# Altium PCB PIX_NANO.PcbDoc (part 2 of 2)
Units mm, origin at the board's own origin, x right, y up, seen from the top; angles counter-clockwise.
Board outline 33.01 x 30.01 mm, 4 copper layers (Top Layer, Mid-Layer 1, Mid-Layer 2, Bottom Layer); 90 components, 171 nets, 602 pads, 191 vias.
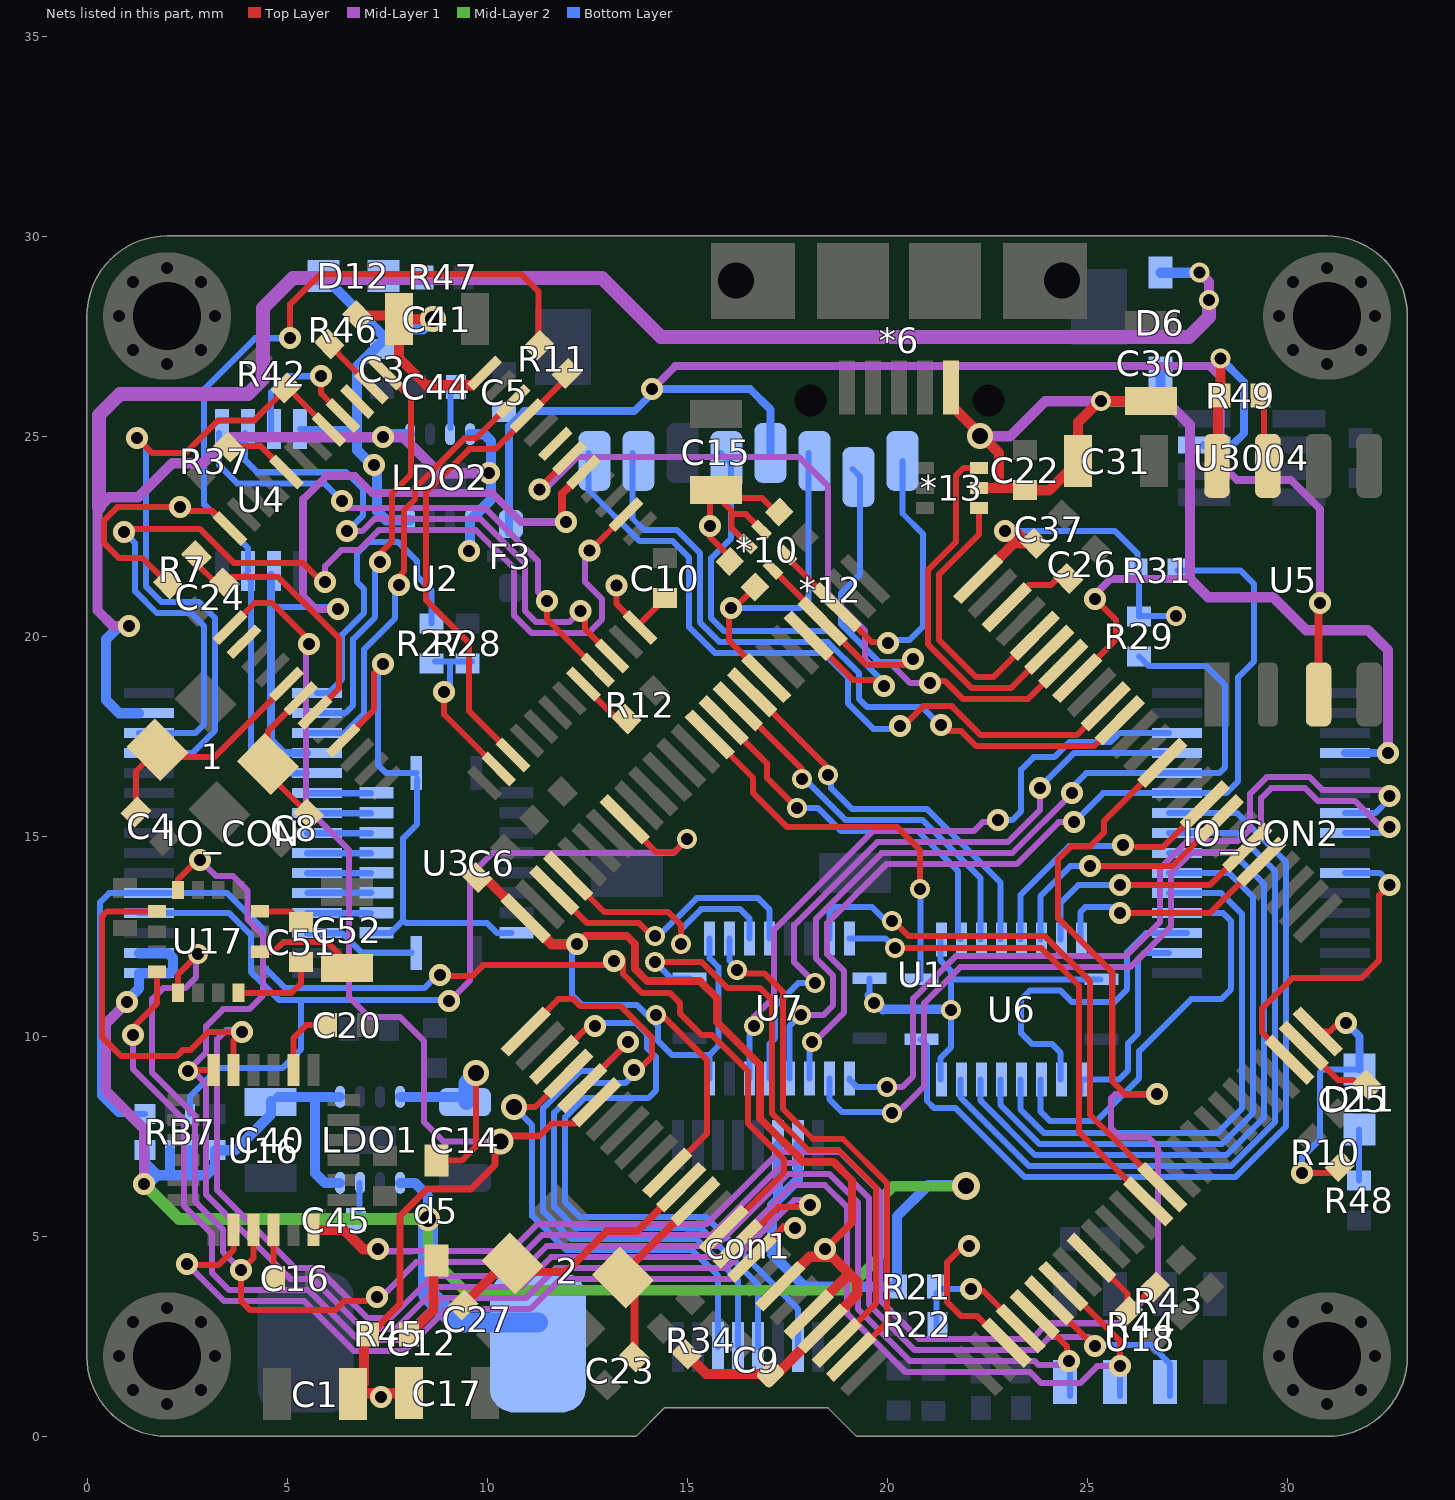
[diagram p4: the nets of this part, all layers, seen from the top]

## Via types
v1: diameter 0.55, hole 0.3, Top Layer to Bottom Layer, 139 vias
v2: diameter 0.5, hole 0.3, Top Layer to Bottom Layer, 39 vias
v3: diameter 0.65, hole 0.4, Top Layer to Bottom Layer, 5 vias
v4: diameter 0.7, hole 0.7, Top Layer to Bottom Layer, 4 vias
v5: diameter 0.7, hole 0.4, Top Layer to Bottom Layer, 1 vias
v6: diameter 0.6, hole 0.35, Top Layer to Bottom Layer, 1 vias
v7: diameter 0.6, hole 0.4, Top Layer to Bottom Layer, 1 vias
v8: diameter 0.45, hole 0.3, Top Layer to Bottom Layer, 1 vias

## Nets (pads, with @x,y where several pads share a name; then routed paths per layer and width w, separated by ;. In a path a pad name is that pad's centre, name@x,y a point inside that pad or via, vN(x,y) a via of type N, cw(c..) or ccw(c..) an arc to the next point about the centre after c; other vN are vias at no path point) (continued)
I2C2_SDA: IO_CON2.6 U1.48 | length 8.2
  Top Layer w0.15: U1.48@30.058,9.409 29.375,10.093 29.375,10.7 30.125,11.45 31.85,11.45 32.3,11.9 32.3,13.526 v1@32.55,13.776
  Bottom Layer w0.15: IO_CON2.6@31.45,14.075 32.325,14.075 ; 32.357,14.051 v1@32.582,13.826
  other v1: 32.557,13.776
I2C_SCL: IO_CON2.21 R31.2 U7.14 | length 23.3
  Mid-Layer 1 w0.15: v2(18.125,9.85) 18.175,9.85 18.925,10.6 18.925,11.625 18.5,12.05 18.5,12.822 19.978,14.3 23.239,14.3 24.289,15.35 v1(24.675,15.35)
  Bottom Layer w0.15: U7.14@18.06,8.947 18.06,9.785 v2(18.125,9.85) ; v1(24.675,15.35) 25.4,16.075 28.475,16.075 28.775,16.375 28.775,18.975 29.175,19.375 29.175,21.3 28.829,21.646 R31.2@27.256,21.646
I2C_SDA: IO_CON2.20 R29.2 U7.15 | length 21.4
  Mid-Layer 1 w0.15: v2@17.825,10.525 18.4,10.525 18.65,10.775 18.65,11.511 18.225,11.936 18.225,12.936 19.864,14.575 23.107,14.575 ; v2@17.826,10.526 v2(17.851,10.526) ; 23.129,14.579 v1(24.625,16.075)
  Bottom Layer w0.15: U7.15@17.56,8.947 17.56,10.26 17.826,10.526 v2(17.851,10.526) ; v1(24.625,16.075) 24.625,16.225 24.975,16.575 28.3,16.575 28.45,16.725 28.45,18.775 27.975,19.25 26.54,19.25 R29.2@26.296,19.494
IO-3V3: C3.2 C10.2 C41.2 D12.1 LDO2.8 R7.2 R46.1 U2.9 U2.24 U2.36 U2.48 U3.2 U3.10 U3.19 U4.8 | length 38
  Top Layer w0.15: R7.2@2.027,21.307 1.384,21.95 0.8,21.95 0.425,22.325 0.425,22.9 0.75,23.225 v1(2.325,23.225) 2.425,23.125 3.136,23.125 U2.48@3.572,22.689 ; U2.9@6.4,17.386 7.175,18.161 7.175,19.075 v1(7.4,19.3) ; C41.2@7.711,28.014 C41.2@7.8,27.925 ; U2.36@9.632,26.275 U2.36@9.936,26.578 ; v1@13.2,21.3 v1(13.239,21.261) 13.239,20.8 U2.24@13.825,20.214 13.825,20.325 C10.2@14.45,20.95
  Top Layer w0.245: 7.8,26.95 8.475,26.275
  Top Layer w0.254: R46.1@6.759,28.014 C41.2@7.711,28.014 ; 7.8,26.95 C41.2@7.8,27.925 v3(8.65,27.925) ; 8.475,26.275 U2.36@9.632,26.275
  Bottom Layer w0.15: U4.8@5.325,25.18 6.72,25.18 6.75,25.15 ; U3.2@7.103,12.585 7.585,12.585 7.9,12.9 ; v1(7.4,19.3) 7.275,19.175 7.275,16.775 7.465,16.585 U3.10@8.228,16.585 ; U3.10@8.25,16.438 8.25,15.3 7.9,14.95 7.9,12.9 ; U3.19@10.603,12.585 10.24,12.585 10,12.825 7.975,12.825 7.9,12.9
  Bottom Layer w0.254: D12.1@5.904,29.005 7.454,27.454 ; LDO2.8@8.075,22.9 7.475,22.9 7.25,23.125 7.25,24.15 6.75,24.65 6.75,25.15 6.75,26.75 7.675,27.675 8.4,27.675 v3(8.65,27.925)
  other v1: 7.175,24.275
IO-BOOT0: R37.2 U2.44 | length 1.7
  Top Layer w0.15: R37.2@3.548,24.727 3.571,24.75 4.339,24.75 U2.44@4.986,24.103
IO-BOOT1: R12.2 U2.20 | length 1.4
  Top Layer w0.15: U2.20@12.411,18.8 12.411,18.764 13.23,17.945 R12.2@13.47,17.945
IO-OSC_IN: 1.3 C8.2 U2.6 | length 3.9
  Top Layer w0.15: U2.6@5.339,18.447 4.516,17.623 1.3@4.516,16.807 4.516,16.566 C8.2@5.529,15.554 C8.2@5.529,15.795
IO-OSC_OUT: 1.1 C4.1 U2.5 | length 5.7
  Top Layer w0.15: C4.1@1.221,15.604 1.221,16.624 1.573,16.975 3.175,16.975 4.986,18.786 U2.5@4.986,18.8
IO-SWCLK: IO_CON.14 U2.37 | length 10.4
  Top Layer w0.15: v1@7.25,22 7.625,22.375 7.625,23.575 8.1,24.05 8.1,25.939 U2.37@7.461,26.578
  Bottom Layer w0.15: IO_CON.14@5.5,18.075 6.45,18.075 6.65,18.275 6.65,19.925 7.2,20.475 v1@7.2,22
  other v1: 7.325,21.85
IO_RESET: C24.2 R7.1 U2.7 | length 6.8
  Top Layer w0.15: R7.1@2.634,21.914 3.32,21.229 3.329,21.229 3.575,21.475 4.775,21.475 6.3,19.95 6.3,18.7 U2.7@5.693,18.093
IO_SWDIO: IO_CON.13 U2.34 | length 11.1
  Top Layer w0.15: v1@7.7,21.4 7.925,21.625 7.925,23.153 8.2,23.428 8.2,23.714 9.436,24.95 9.722,24.95 U2.34@10.643,25.871
  Bottom Layer w0.15: IO_CON.13@5.5,17.575 6.425,17.575 6.925,18.075 6.925,19.675 7.7,20.45 v1@7.7,21.4
  other v1: 7.8,21.275
IO_SWO: U2.39
IO_USART1_TX: U1.69 U2.30 | length 19.6
  Top Layer w0.15: v1@11.388,23.613 11.388,23.787 U2.30@12.057,24.457 ; v1@20.925,18.8 21,18.875 21.45,18.875 21.9,18.425 23.518,18.425 U1.69@24.402,19.309
  Mid-Layer 1 w0.15: v1@11.388,23.613 12.25,24.475 17.8,24.475 18.525,23.75 18.525,21.061 19.45,20.136 19.45,19.425 19.575,19.3 20.103,19.3 20.578,18.825 v1(21.075,18.825)
  other v1: 11.312,23.663
MCU_3V3: *10.1 *10.2 *10.3 *10.4 C6.2 C9.2 C14.2 C15.2 C37.2 d5.1 D11.1 LDO1.8 R10.1 R29.1 R31.1 R34.2 U1.11 U1.19 U1.21 U1.22 U1.28 U1.50 U1.75 U1.100 U6.2 U6.10 U6.19 U7.2 U7.10 U7.19 | length 80.6
  Top Layer w0.15: d5.1@8.658,6.889 9.364,6.889 9.725,7.25 v3(9.725,9.075) ; C15.2@15.65,23.6 15.575,23.525 15.575,22.475 16.063,21.987 *10.4@16.063,21.864 ; *10.3@16.505,22.306 16.111,22.7 16.111,23.025 ; *10.2@16.859,22.666 *10.2@16.859,22.66 16.468,23.05 16.136,23.05 16.111,23.025 ; *10.1@17.3,23.102 17.223,23.102 16.875,23.45 15.8,23.45 16.111,23.139 16.111,23.025 ; v1@22.15,4.75 21.9,4.75 21.5,4.35 21.5,3.35 21.85,3 22.25,3 22.912,2.338 U1.28@22.987,2.338 ; v1(30.375,6.575) 31.149,6.575 R10.1@31.314,6.741 ; U1.50@30.765,10.117 31.067,10.117 31.276,10.326 v1(31.477,10.326)
  Top Layer w0.154: v2@14.075,10.475 14.425,10.475 15.5,9.4 15.5,7.575 U1.11@14.506,6.581
  Top Layer w0.2: v1(12.25,12.3) 12.45,12.5 13.5,12.5 13.7,12.3 13.7,11.678 14.003,11.375 15.322,11.375 15.75,10.947 15.75,10.35 16.825,9.275 16.825,7.937 17.909,6.853 18.659,6.853 19.125,6.387 19.125,5.35 v1(18.45,4.675) ; U1.11@14.502,6.581 U1.11@14.506,6.581
  Top Layer w0.254: C6.2@9.871,14.04 U1.100@10.966,12.945 11.611,12.3 v1(12.25,12.3) v1@12.35,12.2 ; R34.2@14.984,2.049 15.476,1.557 C9.2@17.08,1.557 17.256,1.557 U1.22@18.391,2.692 19.251,3.552 19.251,3.861 19.051,4.061 18.626,4.486 18.063,4.486 U1.19@17.33,3.753 ; U1.21@18.038,3.045 19.051,4.059 ; U1.75@22.28,21.43 23.171,22.321 C37.2@23.504,22.321 ; v1@22.925,22.675 23.15,22.675 C37.2@23.504,22.321 ; C37.2@23.696,22.321 C37.2@23.504,22.321
  Bottom Layer w0.15: v1(12.25,12.3) 12.125,12.175 12.125,11.025 12.375,10.775 13.75,10.775 14.275,10.25 14.275,9.875 14.615,9.535 15.56,9.535 ; U7.19@15.56,8.947 15.56,9.535 ; U7.2@15.56,12.447 15.56,11.948 15.783,11.725 15.783,9.758 15.56,9.535 ; v2@19.56,11.015 U7.10@19.56,11.447 ; U6.19@21.335,8.922 21.335,9.46 21.6,9.725 21.6,10.675 21.6,11.45 ; U6.2@21.335,12.422 21.335,11.89 21.6,11.625 21.6,11.45 ; v1(22.95,22.625) 25.7,22.625 26.256,22.069 R31.1@26.256,21.646 ; U6.10@25.335,11.422 21.628,11.422 21.6,11.45 ; R31.1@26.296,21.606 R29.1@26.296,20.494 26.302,20.5 v2(27.225,20.5) ; v1(30.375,6.575) 30.375,6.978 30.825,7.428 30.825,9.1 30.896,9.171 D11.1@31.805,9.171
  Bottom Layer w0.2: v1(31.477,10.326) 31.805,9.997 D11.1@31.805,9.171
  Bottom Layer w0.245: 19.9,10.675 v2@21.6,10.675
  Bottom Layer w0.254: LDO1.8@7.824,8.482 C14.2@9.308,8.482 ; v2@19.56,11.015 19.9,10.675
  Bottom Layer w0.4: C14.2@9.482,8.35 9.482,8.832 v3(9.725,9.075)
  other v1: 22.05,4.75 15.575,22.75
  other v2: 14.225,10.525 21.6,10.65 19.675,10.825
MPU_CS: U1.17 U16.8 | length 20.7
  Top Layer w0.15: v1@2.5,4.275 3.275,4.275 3.661,4.661 U16.8@3.661,5.276 ; U1.17@16.623,4.46 17.414,5.25 v1@17.7,5.25
  Mid-Layer 1 w0.15: v1(2.5,4.3) 3.425,3.375 5.425,3.375 6.675,2.125 7.925,2.125 8.975,3.175 11.075,3.175 11.825,3.925 16.1,3.925 17.375,5.2 v1(17.7,5.2)
MPU_DRDY: U1.62 U16.12 | length 44.5
  Top Layer w0.154: v1(26.75,8.55) 25.95,8.55 25.627,8.873 25.627,11.598 24.275,12.95 24.275,14.425 24.6,14.75 25.075,14.75 25.423,15.098 25.423,15.381 U1.62@26.877,16.834
  Top Layer w0.254: U16.12@5.661,5.151 6.424,5.151 6.9,4.675 v1(7.275,4.675) v1@7.375,4.675
  Mid-Layer 1 w0.154: v1@7.225,4.625 8.108,4.625 8.11,4.627 10.58,4.627 11.255,5.302 15.485,5.302 17.285,7.102 18.825,7.102 19.827,6.1 19.827,3.404 20.804,2.427 23.61,2.427 24.008,2.825 25.825,2.825 26.773,3.773 26.773,7.227 26.525,7.475 25.825,7.475 25.6,7.7 25.6,8.45 25.7,8.55 v1(26.75,8.55)
MPU_EXT_CS: con1.15 U1.3 | length 16.9
  Top Layer w0.15: U1.3@11.674,9.409 11.684,9.409 12.525,10.25 v1@12.7,10.25
  Bottom Layer w0.15: v1(12.7,10.253) 12.772,10.325 13.722,10.325 14,10.047 14,9.7 14.225,9.475 14.225,8.65 14.025,8.45 12.428,8.45 11.95,7.972 11.95,5.85 12.323,5.477 15.473,5.477 17.775,3.175 con1.15@17.775,2.225
NetC16_1: C16.1 U16.10 | length 1.2
  Top Layer w0.15: C16.1@4.661,4.114 U16.10@4.661,5.276
NetC20_1: C20.1 U16.20 | length 1.7
  Top Layer w0.15: U16.20@5.161,9.276 5.161,9.961 5.475,10.275 C20.1@6,10.275
NetC44_1: C44.1 LDO2.3 | length 1
  Bottom Layer w0.15: LDO2.3@9.089,25.201 C44.1@9.089,26.172
NetC45_1: C45.1 LDO1.3 | length 0.9
  Bottom Layer w0.15: C45.1@6.81,5.46 LDO1.3@6.81,6.332
NetC51_1: C51.1 U17.12 | length 1.1
  Top Layer w0.15: U17.12@4.318,13.121 5.079,13.121 C51.1@5.35,12.85
NetC51_2: C51.2 U17.8 | length 2.2
  Top Layer w0.15: U17.8@3.785,11.084 5.109,11.084 5.35,11.325 C51.2@5.35,11.85
NetC52_1: C52.1 U17.10 | length 2.5
  Top Layer w0.15: U17.10@4.318,12.109 4.659,12.109 4.9,12.35 6,12.35 C52.1@6.5,11.85
Netd5_2: d5.2 R45.1 | length 1.9
  Top Layer w0.25: R45.1@7.919,2.646 8.146,2.646 8.658,3.158 d5.2@8.658,4.089
NetD11_2: D11.2 R48.1 | length 1.3
  Bottom Layer w0.15: R48.1@31.796,6.394 D11.2@31.796,7.663
NetD12_2: D12.2 R47.1 | length 1.3
  Bottom Layer w0.15: D12.2@7.104,29.005 7.137,28.971 R47.1@8.406,28.971
NetR46_2: R46.2 U2.38 | length 1.4
  Top Layer w0.15: R46.2@6.252,27.282 6.252,27.08 U2.38@7.107,26.225
NetR49_2: R49.2 U5.7 | length 1.5
  Top Layer w0.15: U5.7@29.415,24.483 R49.2@29.415,25.934
OSC_IN: 2.3 C27.2 U1.12 | length 6.9
  Top Layer w0.2: 2.3@10.841,4.111 11.976,4.111 12.989,5.123 13.751,5.123 U1.12@14.855,6.227
  Top Layer w0.254: C27.2@9.396,3.279 10.435,4.318 2.3@10.634,4.318 2.3@10.841,4.111
OSC_OUT: 2.1 C23.1 U1.13 | length 4.4
  Top Layer w0.2: 2.1@13.391,4.056 U1.13@15.209,5.874 ; C23.1@13.679,1.984 2.1@13.679,3.677
  Top Layer w0.254: 2.1@13.391,3.964 2.1@13.391,4.056
PPM_IN: IO_CON.12 U2.29 U4.2 | length 19.1
  Top Layer w0.15: v1@11.875,22.95 v1(11.975,22.85)
  Top Layer w0.2: v1@11.875,22.95 11.875,23.568 U2.29@12.411,24.103
  Mid-Layer 1 w0.2: v1(6.275,20.675) 5.725,20.675 5.4,21 5.4,23.425 5.975,24 6.7,24 7.125,23.575 10.125,23.575 10.85,22.85 v1(11.975,22.85)
  Bottom Layer w0.15: 4.6,20.725 6.1,20.725 v1@6.225,20.6
  Bottom Layer w0.2: U4.2@4.6,21.53 4.6,20.725 4.6,17.4 4.925,17.075 IO_CON.12@5.5,17.075
PRESSURE_SENS: R43.1 R44.2 U1.34 | length 2.6
  Top Layer w0.15: U1.34@25.109,4.46 26.015,3.554 R44.2@26.015,3.123 26.057,3.123 R43.1@26.643,3.71
PWM_OUT1: IO_CON.3 U3.1 | length 2.8
  Bottom Layer w0.154: IO_CON.3@5.5,12.575 6.375,12.575 6.865,12.085 U3.1@8.103,12.085
PWM_OUT2: IO_CON.4 U3.3 | length 1.6
  Bottom Layer w0.154: IO_CON.4@5.5,13.075 U3.3@7.092,13.075
PWM_OUT3: IO_CON.5 U3.4 | length 1.6
  Bottom Layer w0.154: IO_CON.5@5.51,13.585 U3.4@7.103,13.585
PWM_OUT4: IO_CON.6 U3.5 | length 1.6
  Bottom Layer w0.154: IO_CON.6@5.5,14.075 U3.5@7.092,14.075
PWM_OUT5: IO_CON.7 U3.6 | length 1.6
  Bottom Layer w0.154: IO_CON.7@5.5,14.575 U3.6@7.092,14.575
PWM_OUT6: IO_CON.8 U3.7 | length 1.6
  Bottom Layer w0.154: IO_CON.8@5.5,15.075 U3.7@7.092,15.075
PWM_OUT7: IO_CON.9 U3.8 | length 1.6
  Bottom Layer w0.154: IO_CON.9@5.5,15.575 U3.8@7.092,15.575
PWM_OUT8: IO_CON.10 U3.9 | length 1.6
  Bottom Layer w0.154: IO_CON.10@5.5,16.075 U3.9@7.092,16.075
RSSI_IN: R11.1 U2.15 U2.33 | length 12.3
  Top Layer w0.15: U2.15@10.643,17.032 9.55,18.125 9.55,19.825 8.475,20.9 8.475,23.6 9.55,24.675 10.2,24.675 11.914,26.389 R11.1@11.914,26.666
RSSI_IN_PROT: IO_CON.11 R11.2 U4.3 | length 22.7
  Top Layer w0.154: v1(5.075,27.45) 5.075,28.3 5.825,29.05 10.85,29.05 11.282,28.618 R11.2@11.282,27.273
  Bottom Layer w0.154: U4.3@3.95,21.53 4.1,21.38 4.1,17.15 4.675,16.575 IO_CON.11@5.5,16.575 ; U4.3@4.025,21.63 4.025,22.2 2.925,23.3 2.925,26.175 4.2,27.45 v1(5.075,27.45)
SAFE_LED: IO_CON.18 U2.26 | length 26.2
  Top Layer w0.15: v1@0.924,22.675 2.825,22.675 3.675,21.825 5.4,21.825 5.891,21.334 5.891,21.341 v1@5.9,21.351 ; v1(12.563,22.138) 12.566,22.138 U2.26@13.471,23.043
  Mid-Layer 1 w0.15: v1@5.891,21.334 5.891,21.341 v1@5.9,21.351 ; v1(5.95,21.351) 5.95,21.75 6.35,22.15 6.789,22.15 7.289,22.65 9.722,22.65 10.675,21.697 10.675,20.511 11.111,20.075 12.525,20.075 12.875,20.425 12.875,20.925 12.45,21.35 12.45,22.025 v1(12.563,22.138)
  Bottom Layer w0.15: v1(0.924,22.601) 1.2,22.325 1.2,21.122 1.747,20.575 2.6,20.575 2.925,20.25 2.925,17.8 2.7,17.575 IO_CON.18@1.3,17.575
SAFETY: IO_CON.19 R42.2 U2.41 | length 16.9
  Top Layer w0.15: v1(1.25,24.95) 1.625,24.575 2.45,24.575 3.273,25.398 4.177,25.398 4.998,26.218 6.047,25.169 U2.41@6.047,25.164
  Bottom Layer w0.15: v1(1.25,24.95) 1.475,24.725 1.475,21.236 1.861,20.85 2.8,20.85 3.2,20.45 3.2,17.65 2.625,17.075 IO_CON.19@1.3,17.075
SBUS_INPUT: U2.22 U4.6 | length 14.4
  Top Layer w0.15: v1(12.332,20.632) 12.45,20.514 12.45,20.175 U2.22@13.118,19.507
  Mid-Layer 1 w0.15: v1(6.5,22.625) 6.875,22.625 7.175,22.925 9.836,22.925 10.95,21.811 10.95,20.625 11.225,20.35 12.05,20.35 v1(12.332,20.632)
  Bottom Layer w0.154: U4.6@3.95,25.08 3.95,24.4 4.25,24.1 6.475,24.1 6.9,23.675 6.9,23.025 v1(6.5,22.625)
SBUS_OUTPUT: U2.21 U4.5 | length 13.1
  Top Layer w0.15: v1(11.5,20.875) 11.5,20.418 U2.21@12.764,19.154
  Mid-Layer 1 w0.15: v1(6.375,23.375) 6.55,23.2 9.95,23.2 11.275,21.875 11.275,21.1 v1(11.5,20.875)
  Bottom Layer w0.15: U4.5@3.3,25.08 3.3,24.275 3.752,23.823 5.927,23.823 v1(6.375,23.375)
SBUS_OUTPUT_EN: U2.40 U4.7 | length 3.7
  Top Layer w0.15: v1@5.925,26.475 5.85,26.4 5.85,26.068 U2.40@6.4,25.518
  Bottom Layer w0.154: U4.7@4.6,25.08 4.6,26.1 5,26.5 v1(5.85,26.5)
SDIO_CK: *12.5 U1.80 | length 11.9
  Top Layer w0.15: U1.80@18.038,20.016 19.153,18.9 19.925,18.9 v1@19.975,18.85
  Bottom Layer w0.15: *12.5@15.833,24.582 16.1,24.315 16.1,22.45 15.6,21.95 15.6,20.453 15.928,20.125 18.636,20.125 19.961,18.8 v1@19.975,18.8
  other v1: 19.925,18.75
SDIO_CMD: *10.5 *12.3 U1.83 | length 8.6
  Top Layer w0.15: *10.5@16.699,21.228 16.05,20.578 16.05,19.882 U1.83@16.977,18.955
  Bottom Layer w0.15: v1(16.1,20.7) 17.825,20.7 18.033,20.908 *12.3@18.033,24.582
SDIO_D0: *12.7 U1.65 | length 17.7
  Top Layer w0.15: v1(21.35,17.775) 21.325,17.775 21.475,17.625 21.853,17.625 22.228,17.25 23.476,17.25 24.326,17.251 25.171,17.25 U1.65@25.816,17.895
  Bottom Layer w0.15: *12.7@13.633,24.582 13.633,22.942 13.925,22.65 14.75,22.65 15.325,22.075 15.325,20.339 15.814,19.85 18.522,19.85 19.3,19.072 19.3,18.425 19.5,18.225 20.128,18.225 ; 20.129,18.226 20.874,18.226 v1@21.175,17.925 ; v1@21.325,17.775 v1(21.35,17.775)
SDIO_D1: *12.8 U1.66 | length 18.8
  Top Layer w0.15: v1@20.176,17.751 v1(20.326,17.751) ; v1@20.325,17.675 20.9,18.25 21.617,18.25 22.342,17.525 23.362,17.525 ; 23.363,17.526 24.44,17.526 ; 24.44,17.525 24.739,17.525 U1.66@25.462,18.248
  Bottom Layer w0.15: *12.8@12.533,24.582 12.533,23.653 13.811,22.375 14.636,22.375 15.05,21.961 15.05,20.225 15.7,19.575 18.408,19.575 19.025,18.958 19.025,18.311 19.661,17.675 20.1,17.675 20.176,17.751 v1(20.326,17.751)
SDIO_D2: *10.7 *12.1 U1.78 | length 8.5
  Top Layer w0.15: *10.7@17.495,21.973 U1.78@18.745,20.723 19.618,19.85 19.75,19.85
  Bottom Layer w0.15: v1(20.025,19.825) 20.1,19.9 20.55,19.9 20.9,20.25 20.9,22.55 20.383,23.067 *12.1@20.383,24.382
SDIO_D3: *10.6 *12.2 U1.79 | length 11
  Top Layer w0.15: *10.6@17.141,21.67 18.391,20.42 U1.79@18.391,20.369 19.486,19.275 20.5,19.275 v1(20.65,19.425)
  Bottom Layer w0.15: *12.2@19.133,24.182 19.325,23.99 19.325,21.55 18.85,21.075 18.85,20.3 19.8,19.35 20.575,19.35 v1(20.65,19.425)
SERVO_VALID: IO_CON.27 RB7.3 U1.93 | length 25.3
  Top Layer w0.15: U1.93@13.441,15.42 13.441,15.384 14.224,14.601 14.676,14.601 v2(15,14.925)
  Mid-Layer 1 w0.15: v1(9.05,10.875) 9.575,11.4 9.575,14.025 10.125,14.575 14.65,14.575 v2(15,14.925)
  Bottom Layer w0.15: IO_CON.27@1.3,13.075 3.55,13.075 4.1,12.525 4.1,11.6 4.8,10.9 5.35,10.9 ; RB7.3@2.575,8.05 2.575,8.5 3.275,9.2 4.875,9.2 5.35,9.675 5.35,10.9 ; v1@9.05,10.9 5.35,10.9
SPEKTRUM_EN: U2.2
SPI_EXT_MISO: con1.11 U1.4 | length 11.8
  Top Layer w0.15: v3(10.675,8.225) 11.196,8.225 U1.4@12.027,9.056 U1.4@12.131,9.056
  Bottom Layer w0.15: v3(10.675,8.225) 11.125,7.775 11.125,5.508 11.981,4.652 15.131,4.652 15.775,4.008 con1.11@15.775,2.225
SPI_EXT_MOSI: con1.12 U1.5 | length 14.3
  Top Layer w0.15: U1.5@12.381,8.702 13.525,9.847 v1(13.525,9.85)
  Bottom Layer w0.15: v1(13.525,9.85) 12.8,9.125 12.325,9.125 11.4,8.2 11.4,5.622 12.095,4.927 15.245,4.927 16.275,3.897 con1.12@16.275,2.225
SPI_EXT_SCK: con1.13 U1.1 | length 17.2
  Top Layer w0.15: U1.1@10.966,10.117 11.775,10.925 12.15,10.925 12.325,10.75 13.336,10.75 14.125,9.961 14.125,9.5 v1@13.775,9.15
  Bottom Layer w0.15: v1@13.775,9.15 13.45,8.825 12.414,8.825 11.675,8.086 11.675,5.736 12.209,5.202 15.359,5.202 16.775,3.786 con1.13@16.775,2.225
  other v1: 13.675,9.15
SPI_MAG_CS: U1.16 U17.4 | length 28.3
  Top Layer w0.15: v1@1.149,10.225 1.748,10.824 U17.4@1.748,11.609 ; U1.16@16.27,4.813 16.363,4.813 17.275,5.725 v1@18.25,5.725
  Mid-Layer 1 w0.15: v1@1.149,10.225 1.149,9.176 2.425,7.9 2.425,5.75 3.125,5.05 3.125,4.075 3.55,3.65 5.539,3.65 6.789,2.4 7.811,2.4 8.861,3.45 10.961,3.45 11.711,4.2 15.975,4.2 17.675,5.9 18.075,5.9 v1@18.25,5.725
  other v1: 18.075,5.775 1.149,10.025
SPI_MISO: U1.31 U16.9 U17.5 U18.6 | length 44.7
  Top Layer w0.15: U17.5@2.273,11.084 2.273,11.548 v2(2.775,12.05) ; U16.9@4.161,5.276 4.161,4.461 v1(3.85,4.15) 3.85,3.375 4.075,3.15 6.2,3.15 6.425,3.375 6.975,3.375 7.25,3.65 v1(7.25,3.475) ; U1.31@24.048,3.399 24.048,3.377 v1@25.2,2.225 ; v1@25.075,2.325 v1@25.2,2.325
  Mid-Layer 1 w0.15: v2@2.725,12.025 2.725,11.475 2.45,11.2 1.9,11.2 1.625,10.925 1.625,9.089 2.7,8.014 2.7,5.864 3.4,5.164 3.4,4.6 v1(3.85,4.15) v1@3.85,4.075 ; v1@7.225,3.625 7.225,3.35 8.225,4.35 10.694,4.35 11.369,5.025 15.6,5.025 17.4,6.825 18.675,6.825 19.55,5.95 19.55,3.289 20.689,2.15 23.725,2.15 24.05,2.475 25.05,2.475 25.2,2.325 25.075,2.325 v1@25,2.25
  Bottom Layer w0.15: v1@25.45,2.275 26.6,2.275 27.075,1.8 U18.6@27.075,1
  other v1: 25.2,2.25
SPI_MOSI: U1.32 U16.24 U17.16 U18.7 | length 45.2
  Top Layer w0.15: U17.16@2.273,13.655 2.273,13.923 2.75,14.4 v1(2.825,14.4) ; v2@2.624,9.276 2.749,9.151 U16.24@3.161,9.151 ; U1.32@24.402,3.753 24.447,3.753 25.825,2.375 v1(25.825,1.75)
  Mid-Layer 1 w0.15: v1(2.825,14.4) 3.219,14.006 3.644,14.006 4.006,13.644 4.006,12.919 4.4,12.525 4.4,11.027 4.048,10.675 3.4,10.675 2.975,10.25 2.975,9.602 2.574,9.201 2.975,8.8 2.975,6.036 5.086,3.925 5.653,3.925 6.903,2.675 7.697,2.675 8.747,3.725 10.847,3.725 11.597,4.475 15.828,4.475 17.628,6.275 18.447,6.275 19,5.722 19,3.061 20.461,1.6 23.575,1.6 23.85,1.325 24.825,1.325 25.25,1.75 v1(25.825,1.75)
  Bottom Layer w0.15: U18.7@25.725,1.85 v1(25.825,1.75) U18.7@25.825,1
  other v2: 2.524,9.126
SPI_SCK: U1.30 U16.23 U17.1 U18.8 | length 44.5
  Top Layer w0.15: U17.1@1.748,13.121 0.496,13.121 0.375,13 0.375,9.975 0.85,9.5 2.237,9.5 2.388,9.651 2.576,9.651 3.025,10.1 v1(3.875,10.1) ; U16.23@3.661,9.276 3.661,9.886 v1(3.875,10.1) ; v1@3.825,10.3 v1@3.95,10.3 ; v1@3.95,10.15 3.9,10.1 v1(3.875,10.1) ; U1.30@23.694,3.045 24.5,2.24 24.5,1.775 v1@24.475,1.8
  Mid-Layer 1 w0.15: v1@24.3,1.8 24.475,1.8 24.5,1.775 23.789,1.775 23.689,1.875 20.575,1.875 19.275,3.175 19.275,5.836 18.561,6.55 17.514,6.55 15.714,4.75 11.483,4.75 10.733,4 8.633,4 7.583,2.95 7.017,2.95 5.767,4.2 5.2,4.2 3.25,6.15 3.25,9.925 3.475,10.15 v1@3.875,10.15 ; v1@3.875,10.15 3.95,10.15 3.9,10.1 v1(3.875,10.1) v1@3.875,10.15
  Bottom Layer w0.15: U18.8@24.475,1.8 24.575,1.7 U18.8@24.575,1
  other v1: 24.55,1.875
STM32_DM: *13.6 U1.70 | length 9
  Top Layer w0.15: *13.6@22.29,24.209 21.909,24.209 21.725,24.025 21.725,22.364 21.025,21.664 21.025,19.786 22.111,18.7 22.767,18.7 23.086,18.7 U1.70@24.048,19.662
STM32_DP: *13.4 U1.71 | length 6.9
  Top Layer w0.15: *13.4@22.29,23.209 22.29,22.54 21.3,21.55 21.3,19.9 22.225,18.975 22.653,18.975 U1.71@23.694,20.016
TELEM1_CTS: IO_CON2.25 U6.16 | length 15.4
  Bottom Layer w0.15: U6.16@22.835,8.922 22.835,8.276 23.811,7.3 28.364,7.3 29.15,8.086 29.15,13.475 28.55,14.075 IO_CON2.25@27.05,14.075
TELEM1_RTS: IO_CON2.24 U6.17 | length 17.1
  Bottom Layer w0.15: U6.17@22.335,8.922 22.335,8.387 23.697,7.025 28.478,7.025 29.425,7.972 29.425,13.8 28.65,14.575 IO_CON2.24@27.05,14.575
TELEM1_RX: IO_CON2.22 U6.20 | length 21.9
  Bottom Layer w0.15: U6.20@20.835,9.922 20.995,9.762 20.995,8.38 21.175,8.2 21.711,8.2 23.436,6.475 23.722,6.475 28.706,6.475 29.975,7.744 29.975,14.35 28.75,15.575 IO_CON2.22@27.05,15.575
TELEM1_TX: IO_CON2.23 U6.18 | length 18.8
  Bottom Layer w0.15: U6.18@21.835,8.922 21.835,8.465 23.55,6.75 23.608,6.75 28.592,6.75 29.7,7.858 29.7,14.125 28.75,15.075 IO_CON2.23@27.05,15.075
TELEM2_CTS: IO_CON2.27 U6.14 | length 10.3
  Bottom Layer w0.15: U6.14@23.835,8.922 23.835,8.115 24.075,7.875 25.225,7.875 26.3,8.95 26.3,9.625 27.6,10.925 28.35,10.925 28.6,11.175 28.6,12.875 28.4,13.075 IO_CON2.27@27.5,13.075
TELEM2_RTS: IO_CON2.26 U6.15 | length 13.7
  Bottom Layer w0.15: U6.15@23.335,8.922 23.335,8.165 23.925,7.575 28.25,7.575 28.875,8.2 28.875,13.05 28.35,13.575 IO_CON2.26@27.05,13.575
TELEM2_RX: IO_CON2.28 U6.13 | length 8.3
  Bottom Layer w0.15: U6.13@24.335,8.922 24.335,9.59 24.125,9.8 23.625,9.8 23.35,10.075 23.35,10.925 23.572,11.147 24.328,11.147 24.625,10.85 25.675,10.85 26,11.175 26,12.1 26.475,12.575 IO_CON2.28@27.5,12.575
TELEM2_TX: IO_CON2.29 U6.12 | length 5.4
  Bottom Layer w0.15: U6.12@24.835,8.565 24.835,8.922 25.797,8.922 26.025,9.15 26.025,9.825 26.275,10.075 26.275,11.925 26.425,12.075 IO_CON2.29@27.05,12.075
TELEM4_RX: IO_CON2.18 U7.17 | length 16.6
  Mid-Layer 1 w0.15: v2(16.675,10.25) 16.675,10.486 17.175,10.986 17.175,12.664 19.636,15.125 22.164,15.125 22.389,15.35 v1@22.725,15.35
  Bottom Layer w0.15: U7.17@16.56,8.947 16.56,10.035 v2@16.75,10.225 ; v1@22.925,15.55 v1(22.776,15.401) 23.126,15.401 23.35,15.625 23.35,16.664 23.661,16.975 24.178,16.975 24.553,17.35 25.578,17.35 25.803,17.575 IO_CON2.18@27.05,17.575
TELEM4_TX: IO_CON2.19 U7.16 | length 16.3
  Mid-Layer 1 w0.15: v2(18.2,11.325) 17.675,11.85 17.675,12.775 19.75,14.85 23.011,14.85 23.825,15.664 v1(23.825,16.2)
  Bottom Layer w0.15: U7.16@17.06,8.947 17.06,9.81 17.2,9.95 17.2,10.75 17.675,11.225 17.775,11.325 v2(18.2,11.325) ; v1(23.825,16.2) 23.825,16.233 24.667,17.075 IO_CON2.19@27.05,17.075
TELEM5_RX: IO_CON2.9 U7.12 | length 20.8
  Mid-Layer 1 w0.15: v2(20,8.725) 20.375,8.725 20.65,9 20.65,10.939 21.711,12 25.961,12 26.825,12.864 26.825,14.203 27.497,14.875 28.772,14.875 29.075,15.178 29.075,16.064 29.486,16.475 30.564,16.475 30.889,16.15 32.408,16.15 v1(32.557,16.001)
  Bottom Layer w0.15: U7.12@19.06,8.947 19.06,8.915 19.25,8.725 v2(20,8.725) ; IO_CON2.9@31.45,15.575 32.203,15.575 32.557,15.929 v1(32.557,16.001)
TELEM5_TX: IO_CON2.8 U7.13 | length 22.5
  Mid-Layer 1 w0.15: v2@20.275,8.1 20.925,8.75 20.925,10.825 21.825,11.725 26.075,11.725 27.1,12.75 27.1,14.089 27.611,14.6 28.886,14.6 29.35,15.064 29.35,15.95 29.6,16.2 30.45,16.2 30.775,15.875 31.7,15.875 32.349,15.226 v1(32.557,15.226)
  Bottom Layer w0.15: U7.13@18.56,8.947 18.56,8.415 18.875,8.1 v2@20.275,8.1 ; IO_CON2.8@31.45,15.075 v1@32.382,15.075 ; v1(32.557,15.226) 32.407,15.075 v1@32.382,15.075 ; v1@32.632,15.326 v1@32.382,15.075
  other v2: 20.125,8.075
TF_VCC: *12.4 C5.2 F3.2 R49.1 U5.3 U5.8 U3004.3 | length 41.2
  Top Layer w0.2: U5.3@30.785,18.543 30.785,20.71 v1@30.9,20.825
  Top Layer w0.254: U5.8@28.27,24.483 R49.1@28.27,25.824 ; R49.1@28.335,26.014 v2(28.335,26.94)
  Mid-Layer 1 w0.2: v1(14.125,26.175) 14.7,26.75 28.06,26.75 28.335,26.475 ; v2(28.335,26.94) 28.335,26.475 ; v1(30.825,20.825) 30.825,23.175 30.1,23.9 28.75,23.9 28.335,24.315 28.335,26.475
  Bottom Layer w0.2: F3.2@10.542,22.578 10.55,22.586 10.55,25.25 10.925,25.625 13.675,25.625 14.225,26.175 16.575,26.175 17.083,25.667 *12.4@17.083,24.582 ; U3004.3@27.926,24.778 28.628,24.778 28.925,25.075 28.925,26.35 v2(28.335,26.94)
USART1_RX: U2.31
USART2_CTS: U1.84 U6.5 | length 9.9
  Top Layer w0.15: U1.84@16.623,18.602 18.525,16.7 v2(18.525,16.525)
  Bottom Layer w0.15: v2@18.6,16.575 18.6,16.2 19.125,15.675 21,15.675 22.835,13.84 U6.5@22.835,12.422
USART2_RTS: U1.85 U6.4 | length 9.3
  Top Layer w0.15: U1.85@16.27,18.248 16.302,18.248 17.875,16.675 v2(17.875,16.425)
  Bottom Layer w0.15: v2@18.05,16.314 18.964,15.4 20.886,15.4 22.335,13.951 U6.4@22.335,12.422
USART2_RX: U1.87 U6.1 | length 9.9
  Top Layer w0.15: U1.87@15.563,17.541 16.65,16.454 16.65,16.075 17.5,15.225 20.25,15.225 20.825,14.65 v2(20.825,13.675)
  Bottom Layer w0.15: U6.1@20.835,11.422 v2@20.835,13.675
USART2_TX: U1.86 U6.3 | length 9.4
  Top Layer w0.15: U1.86@15.916,17.895 17,16.811 17,16.45 v2(17.75,15.7)
  Bottom Layer w0.15: v2(17.75,15.7) 18.275,15.7 18.85,15.125 20.772,15.125 21.775,14.122 21.775,12.483 U6.3@21.835,12.422
USART3_CTS: U1.58 U6.7 | length 6.3
  Top Layer w0.15: v1(25.075,14.25) 27.121,14.25 U1.58@28.291,15.42
  Bottom Layer w0.15: U6.7@23.835,12.422 23.835,13.51 24.575,14.25 v1(25.075,14.25)
USART3_RTS: U1.59 U6.6 | length 6.4
  Top Layer w0.15: v1@25.95,14.725 v1@25.95,14.825 ; 26.225,14.725 26.889,14.725 U1.59@27.937,15.773
  Bottom Layer w0.15: U6.6@23.335,12.422 23.335,13.535 24.55,14.75 v1@25.9,14.75
  other v1: 25.9,14.775
USART3_RX: U1.56 U6.8 | length 6.1
  Top Layer w0.15: v1(25.825,13.775) 28.06,13.775 U1.56@28.998,14.713
  Bottom Layer w0.15: U6.8@24.335,12.422 24.335,13.335 24.775,13.775 25.038,13.775 25.562,13.775 v1(25.825,13.775)
USART3_TX: U1.55 U6.9 | length 5.8
  Top Layer w0.15: v1(25.825,13.075) 28.067,13.075 U1.55@29.351,14.359
  Bottom Layer w0.15: U6.9@24.835,12.422 24.835,13.11 24.95,13.225 25.675,13.225 v1(25.825,13.075)
USART4_RX: U1.24 U7.3 | length 13.5
  Top Layer w0.15: v2@16.412,11.563 16.937,11.563 17.4,11.1 17.4,8.175 18.147,7.428 18.897,7.428 20,6.325 20,2.85 19.135,1.985 U1.24@19.098,1.985
  Bottom Layer w0.15: U7.3@16.06,12.447 16.06,11.89 16.35,11.6 16.35,11.5 16.251,11.599 v2(16.251,11.651)
USART4_TX: U1.23 U7.1 | length 14.8
  Top Layer w0.15: v2(14.2,11.85) 15.364,11.85 16.014,11.2 16.825,11.2 17.125,10.9 17.125,8.061 18.033,7.153 18.783,7.153 19.725,6.211 19.725,3.319 U1.23@18.745,2.338
  Bottom Layer w0.15: v2(14.2,11.85) 14.603,11.447 U7.1@15.06,11.447
USART7_RX: U1.38 U7.9 | length 12.3
  Top Layer w0.15: v2(20.2,12.2) 23.855,12.2 24.8,11.255 24.8,7.597 U1.38@26.523,5.874
  Bottom Layer w0.15: U7.9@19.06,12.447 19.953,12.447 v2(20.2,12.2)
USART7_TX: U1.39 U7.8 | length 13.9
  Top Layer w0.15: v2(20.125,12.875) 20.161,12.875 20.536,12.5 23.944,12.5 25.075,11.369 25.075,8.029 U1.39@26.877,6.227
  Bottom Layer w0.15: U7.8@18.56,12.447 18.56,13.11 18.675,13.225 19.625,13.225 19.975,12.875 v2(20.125,12.875)
USART8_RX: U1.97 U7.4 | length 6.7
  Top Layer w0.15: U1.97@12.027,14.006 12.933,13.1 14.525,13.1 14.85,12.775 v2(14.85,12.3)
  Bottom Layer w0.15: v2(14.85,12.3) 14.85,12.675 15.35,13.175 16.325,13.175 16.56,12.94 U7.4@16.56,12.447
USART8_TX: U1.98 U7.5 | length 7.1
  Top Layer w0.15: U1.98@11.674,13.652 12.501,12.825 13.8,12.825 v2@14.075,12.55 ; v2(14.201,12.501) v2@14.274,12.501
  Bottom Layer w0.15: v2(14.201,12.501) v2@14.274,12.501 ; v2@14.244,12.458 15.236,13.45 16.775,13.45 17.06,13.165 U7.5@17.06,12.447
VBAT: C1.2 C17.2 R45.2 U1.6 U2.1 | length 31.1
  Top Layer w0.15: U2.1@3.572,20.214 4.182,20.825 4.625,20.825 v1@5.475,19.975 ; C1.2@6.65,1.05 C1.2@6.919,1.319 ; 11.3,7.5 11.4,7.6 11.612,7.813 12.198,7.813 U1.6@12.734,8.349
  Top Layer w0.175: R45.2@7.066,2.546 7.825,3.305 7.825,5.5 8.5,6.175 9.6,6.175 10.2,6.775 10.2,7.225 10.475,7.5 11.3,7.5
  Top Layer w0.254: C1.2@6.675,1.075 C17.2@8.05,1.075 ; C1.2@6.919,1.319 R45.2@6.919,2.646 ; R45.2@7.044,2.546 R45.2@7.066,2.546
  Mid-Layer 1 w0.15: v1@5.475,19.975 5.475,15.725 6.55,14.65 6.55,10.975 7.048,10.477 7.823,10.477 8.425,9.875 8.425,7.85 8.912,7.362 v3(10.338,7.362)
  other v1: 7.35,0.975 5.55,19.8
VBUS: *6.1 *13.5 C22.2 C30.2 C31.2 D6.1 IO_CON2.12 U1.68 | length 35.1
  Top Layer w0.15: U1.68@24.755,18.955 25.725,19.925 25.725,20.4 v1(25.2,20.925)
  Top Layer w0.2: *6.1@21.601,25.774 *6.1@21.601,26.212
  Top Layer w0.254: *6.1@21.601,25.774 22.8,24.575 22.8,23.709 ; *13.5@22.29,23.709 22.8,23.709 ; C22.2@23.25,23.709 22.8,23.709 ; C22.2@23.35,23.65 24.05,23.65 C31.2@24.775,24.375 24.775,25.35 25.3,25.875 v2(25.35,25.875) C30.2@26.6,25.875
  Mid-Layer 1 w0.2: v1@25.25,20.975 v1(25.2,20.925) 25.2,21.05 25.575,21.425 27.575,21.425
  Mid-Layer 1 w0.254: v3(22.325,25) 23.075,25 23.95,25.875 v2(25.35,25.875) 26.975,25.875 27.575,25.275 27.575,21.425 28.025,20.975 29.65,20.975 30.475,20.15 32.025,20.15 32.525,19.65 v1(32.525,17.075)
  Bottom Layer w0.2: IO_CON2.12@31.45,17.075 v1(32.525,17.075)
  Bottom Layer w0.254: v2(25.35,25.875) 26.55,25.875 26.833,26.158 D6.1@26.833,26.586
VBUS_VAILD: IO_CON.26 RB7.1 U1.15 | length 30.9
  Top Layer w0.15: v1@8.725,11.5 9.625,11.5 9.9,11.775 13.1,11.775 13.325,12 13.4,11.925 13.4,11.554 13.879,11.075 14.575,11.075 14.825,10.825 14.825,10.564 15.357,10.032 15.618,10.032 16.525,9.125 16.525,7.813 17.425,6.913 17.425,6.6 15.992,5.167 U1.15@15.916,5.167
  Bottom Layer w0.15: RB7.1@1.45,8.05 0.775,8.05 0.325,8.5 0.325,13.35 0.55,13.575 3.5,13.575 4.4,12.675 4.4,11.75 4.95,11.2 8.425,11.2 v1@8.725,11.5
  other v1: 8.825,11.525 13.175,11.875
VCAP_1: C25.2 U1.49 | length 2
  Top Layer w0.15: U1.49@30.412,9.763 31.275,8.9 31.657,8.9 C25.2@31.954,8.604
VCAP_2: C26.2 U1.73 | length 1.8
  Top Layer w0.15: U1.73@22.987,20.723 23.539,21.275 24.093,21.275 C26.2@24.421,21.604
VDD_5V_IN: C12.A C40.2 con1.2 con1.3 D6.2 IO_CON.17 IO_CON.29 IO_CON.30 LDO1.1 LDO1.4 LDO1.5 LDO2.1 LDO2.4 LDO2.5 R21.2 RB7.5 RB7.6 RB7.7 RB7.8 | length 118
  Mid-Layer 1 w0.254: 0.258,23.183 0.258,20.642 0.65,20.25 v1(1.05,20.25) ; 0.3,23.225 0.55,23.475 1.275,23.475 2.125,24.325 2.9,24.325 3.55,24.975 v1(7.4,24.975) 7.9,24.975 8.8,24.075 v1(10.05,24.075) ; v1(1,10.85) 0.475,10.325 0.475,8.625 1.425,7.675 v1(1.425,6.3) ; v2(27.814,29.086) 28.05,28.85 v2(28.05,28.4)
  Mid-Layer 1 w0.35: 0.3,23.225 0.3,25.525 0.825,26.05 4.025,26.05 4.4,26.425 4.4,28.2 5.15,28.95 12.875,28.95 14.35,27.475 27.55,27.475 28.05,27.975 v2(28.05,28.4)
  Mid-Layer 2 w0.254: v7(8.525,5.425) 8.525,4.55 9.425,3.65 18.975,3.65 19.8,4.475 19.8,5.9 20.15,6.25 v5(21.975,6.25)
  Mid-Layer 2 w0.3: v1(1.425,6.3) 2.3,5.425 v7(8.525,5.425)
  Bottom Layer w0.254: v1(1.05,20.25) 0.8,20.25 0.475,19.925 0.475,18.4 0.8,18.075 IO_CON.17@1.3,18.075 ; v1@1.075,10.975 1.3,11.2 1.3,11.575 IO_CON.30@1.55,11.575 2.05,11.575 2.15,11.675 2.15,11.95 2.025,12.075 IO_CON.29@1.3,12.075 ; v1(1.425,6.3) 1.525,6.3 1.75,6.525 ; RB7.8@1.45,7.15 1.45,6.825 1.75,6.525 ; 2.075,6.625 RB7.7@2.075,7.15 ; 2.575,6.55 RB7.6@2.575,7.15 ; C40.2@4.6,8.375 4.6,8.05 3.7,7.15 RB7.5@3.2,7.15 3.2,6.75 2.975,6.525 1.75,6.525 ; C40.2@4.775,8.482 5.7,8.482 ; LDO1.4@6.324,6.332 5.943,6.332 5.7,6.575 5.7,8.482 ; LDO1.5@6.324,8.482 5.7,8.482 ; v1@7.375,24.875 7.55,25.05 LDO2.1@8.075,25.05 ; LDO1.1@7.824,6.332 8.193,6.332 8.525,6 v7(8.525,5.425) ; v1(9.55,22.126) 9.574,22.126 9.575,22.125 LDO2.5@9.575,22.9 10.1,23.425 10.1,24.875 9.925,25.05 LDO2.4@9.575,25.05 ; con1.3@17.275,7.275 17.275,5.925 ; con1.2@17.775,7.275 17.775,6.425 17.275,5.925 ; v5@22.1,6.275 21.025,6.275 20.243,5.493 R21.2@20.243,3.736 17.939,3.736 17.125,4.55 17.125,5.775 17.275,5.925 ; D6.2@26.833,29.086 v2(27.814,29.086)
  Bottom Layer w0.5: v7(8.525,5.425) 8.525,3.55 9.234,2.841 C12.A@11.268,2.841
VDD_5V_SENS: R21.1 R22.2 U1.29 | length 3.4
  Top Layer w0.15: v1(22.1,3.675) 22.05,3.625 22.408,3.625 U1.29@23.341,2.692
  Bottom Layer w0.15: R22.2@21.231,2.654 R21.1@21.231,3.574 ; R21.1@21.331,3.675 v1(22.1,3.675)
VDD_SERVO: IO_CON.15 R27.1 | length 7.7
  Bottom Layer w0.15: IO_CON.15@5.75,18.575 6.025,18.575 6.375,18.925 6.375,20.039 6.925,20.589 6.925,21.175 6.75,21.35 6.75,22.075 7.025,22.35 7.775,22.35 8.25,21.875 8.25,21.497 8.604,21.143 R27.1@8.604,20.319
VDD_SERVO_SENS: R27.2 R28.2 U2.14 | length 4.2
  Top Layer w0.15: v1(8.925,18.6) 8.925,18.043 U2.14@10.289,16.679
  Bottom Layer w0.15: R27.2@8.697,19.361 9.075,19.361 ; v1@8.95,18.6 9.075,18.725 9.075,19.361 ; R28.2@9.622,19.361 9.075,19.361
pads on no net: *6.4 *6.5@18.083,25.896 *6.5@22.533,25.896 *12.NC1 *12.NC2 con1.5 con1.6 con1.8 IO_CON2.5 LDO1.6 LDO2.6 RB7.4 U1.51 U1.67 U1.92 U2.3 U2.4 U2.25 U2.32 U2.42 U2.43 U5.0 U16.2 U16.3 U16.4 U16.5 U16.6 U16.7 U16.11 U16.14 U16.15 U16.16 U16.17 U16.19 U16.21 U16.22 U17.3 U17.7 U17.14 U17.15 U18.4
copper on no net:
  other v4: 2.25,10.25 28.2,10.25 2.25,19.85 28.2,19.85

## Polygon pours and split planes (outlines as drawn)
MCU_3V3 on Mid-Layer 1 "Top Layer-No Net" (solid, remove dead copper, pour order 18): 32.975,-0.4 0.45,-0.4 -0.075,-0.4 -0.7,0.225 -0.55,0.375 -0.55,29.65 -0.45,29.65 0.35,30.45 0.525,30.275 33.1,30.275 33.1,0.575 32.175,-0.35
IO-3V3 on Mid-Layer 1 "Top Layer-No Net" (solid, remove dead copper, pour order 8): 0.65,15.6 13.4,15.6 ccw(c13.4,16.6) 14.4,16.6 14.4,28.975 ccw(c13.4,28.975) 13.4,29.975 1.1,29.975 ccw(c1.1,28.85) -0.025,28.85 -0.025,16.1 ccw(c0.725,16.1) 0.725,15.35
VDD_5V_IN on Mid-Layer 1 "Top Layer-No Net" (solid, remove dead copper, pour order 2): 2.75,4.925 cw(c2.69,4.985) 2.69,4.9 0.425,4.9 cw(c0.425,5.325) 0,5.325 0,6.175 0,23.15 cw(c0.525,23.15) 0.525,23.675 1.4,23.675 cw(c1.4,23.175) 1.9,23.175 1.9,5.35 cw(c1.45,5.35) 1.45,4.9
GND on Mid-Layer 2 "Top Layer-No Net" (solid, remove dead copper, pour order 12): 0.15,-0.875 33.575,-0.875 ccw(c33.575,-0.65) 33.8,-0.65 33.8,29.025 ccw(c32.1,29.025) 32.1,30.725 1.4,30.725 ccw(c1.4,29.075) -0.25,29.075 -0.25,-0.875 ccw(c0.775,-0.875) 0.775,-1.9
GND on Top Layer "Top Layer-No Net" (solid, remove dead copper, pour order 16): 7.825,0.2 8.15,-0.125 20.3,-0.125 ccw(c20.3,0.961) 21.068,0.193 21.15,0.275 ccw(c20.969,0.456) 21.225,0.456 21.225,3.925 21.225,5.055 ccw(c20.03,5.055) 20.875,5.9 ccw(c19.728,4.753) 19.728,6.375 9.15,6.375 8.7,6.375 ccw(c8.7,5.5) 7.825,5.5 7.825,0.5 ccw(c8.325,0.5) 8.325,0
GND on Top Layer "Top Layer-No Net" (solid, remove dead copper, pour order 14): 0.1,13.575 0.225,13.7 6.85,13.7 7,13.7 8.275,14.975 1.85,21.4 0.075,21.4 0.075,13.6

## Keep-outs
Keep-Out Layer:
  circle w0.006: c8.151,-30.264 r0.003
  lines w0.013: 31,0 ccw(c31,2) 33,2 ; 31,0 ccw(c31,2) 33,2 ; 31,0 19.237,0 18.525,0.712 14.425,0.712 13.713,0 2,0 cw(c2,2) 0,2 0,28 cw(c2,28) 2,30 31,30 cw(c31,28) 33,28 33,2

## Silkscreen, mask and mechanical layers (free items; w line width, h text height)
Top Overlay:
  lines w0.15: 8.544,7.844 8.176,8.211 ; 8.595,8.63 8.176,8.211 ; 9.625,8.211 8.176,8.211
  text "Pixhack NANO" at 4.475,28.8 h1.52
  text "ver 1.1" at 24.825,0.425 h1.25
Bottom Overlay:
  rectangle: 21.31,9.35 24.975,11.975
  rectangle: 15.485,9.41 19.15,12
  region: 10.29,12.535 10.29,16.2 7.7,16.2 7.7,12.535

## Text inside footprints (layer, text, board x,y; h text height)
U17: Top Overlay "Z" at 2.573,12.562 h0.26; Top Overlay "Y" at 3.683,12.562 h0.26; Top Overlay "X" at 2.573,11.609 h0.26